# Altium PCB spd150.PcbDoc (part 5 of 16)
Units mm, origin at the board's own origin, x right, y up, seen from the top; angles counter-clockwise.
Board outline 217.35 x 147.5 mm, 10 copper layers (TOP, LYR2-PLN, LYR3-SIG, LYR4-SIG, LYR5-PLN, LYR6-PLN, LYR7-SIG, LYR8-SIG, LYR9-PLN, BOTTOM), stack 2.134 mm thick; 1065 components, 972 nets, 4226 pads, 2810 vias.
Unrouted connection lines stored in the file: 16.
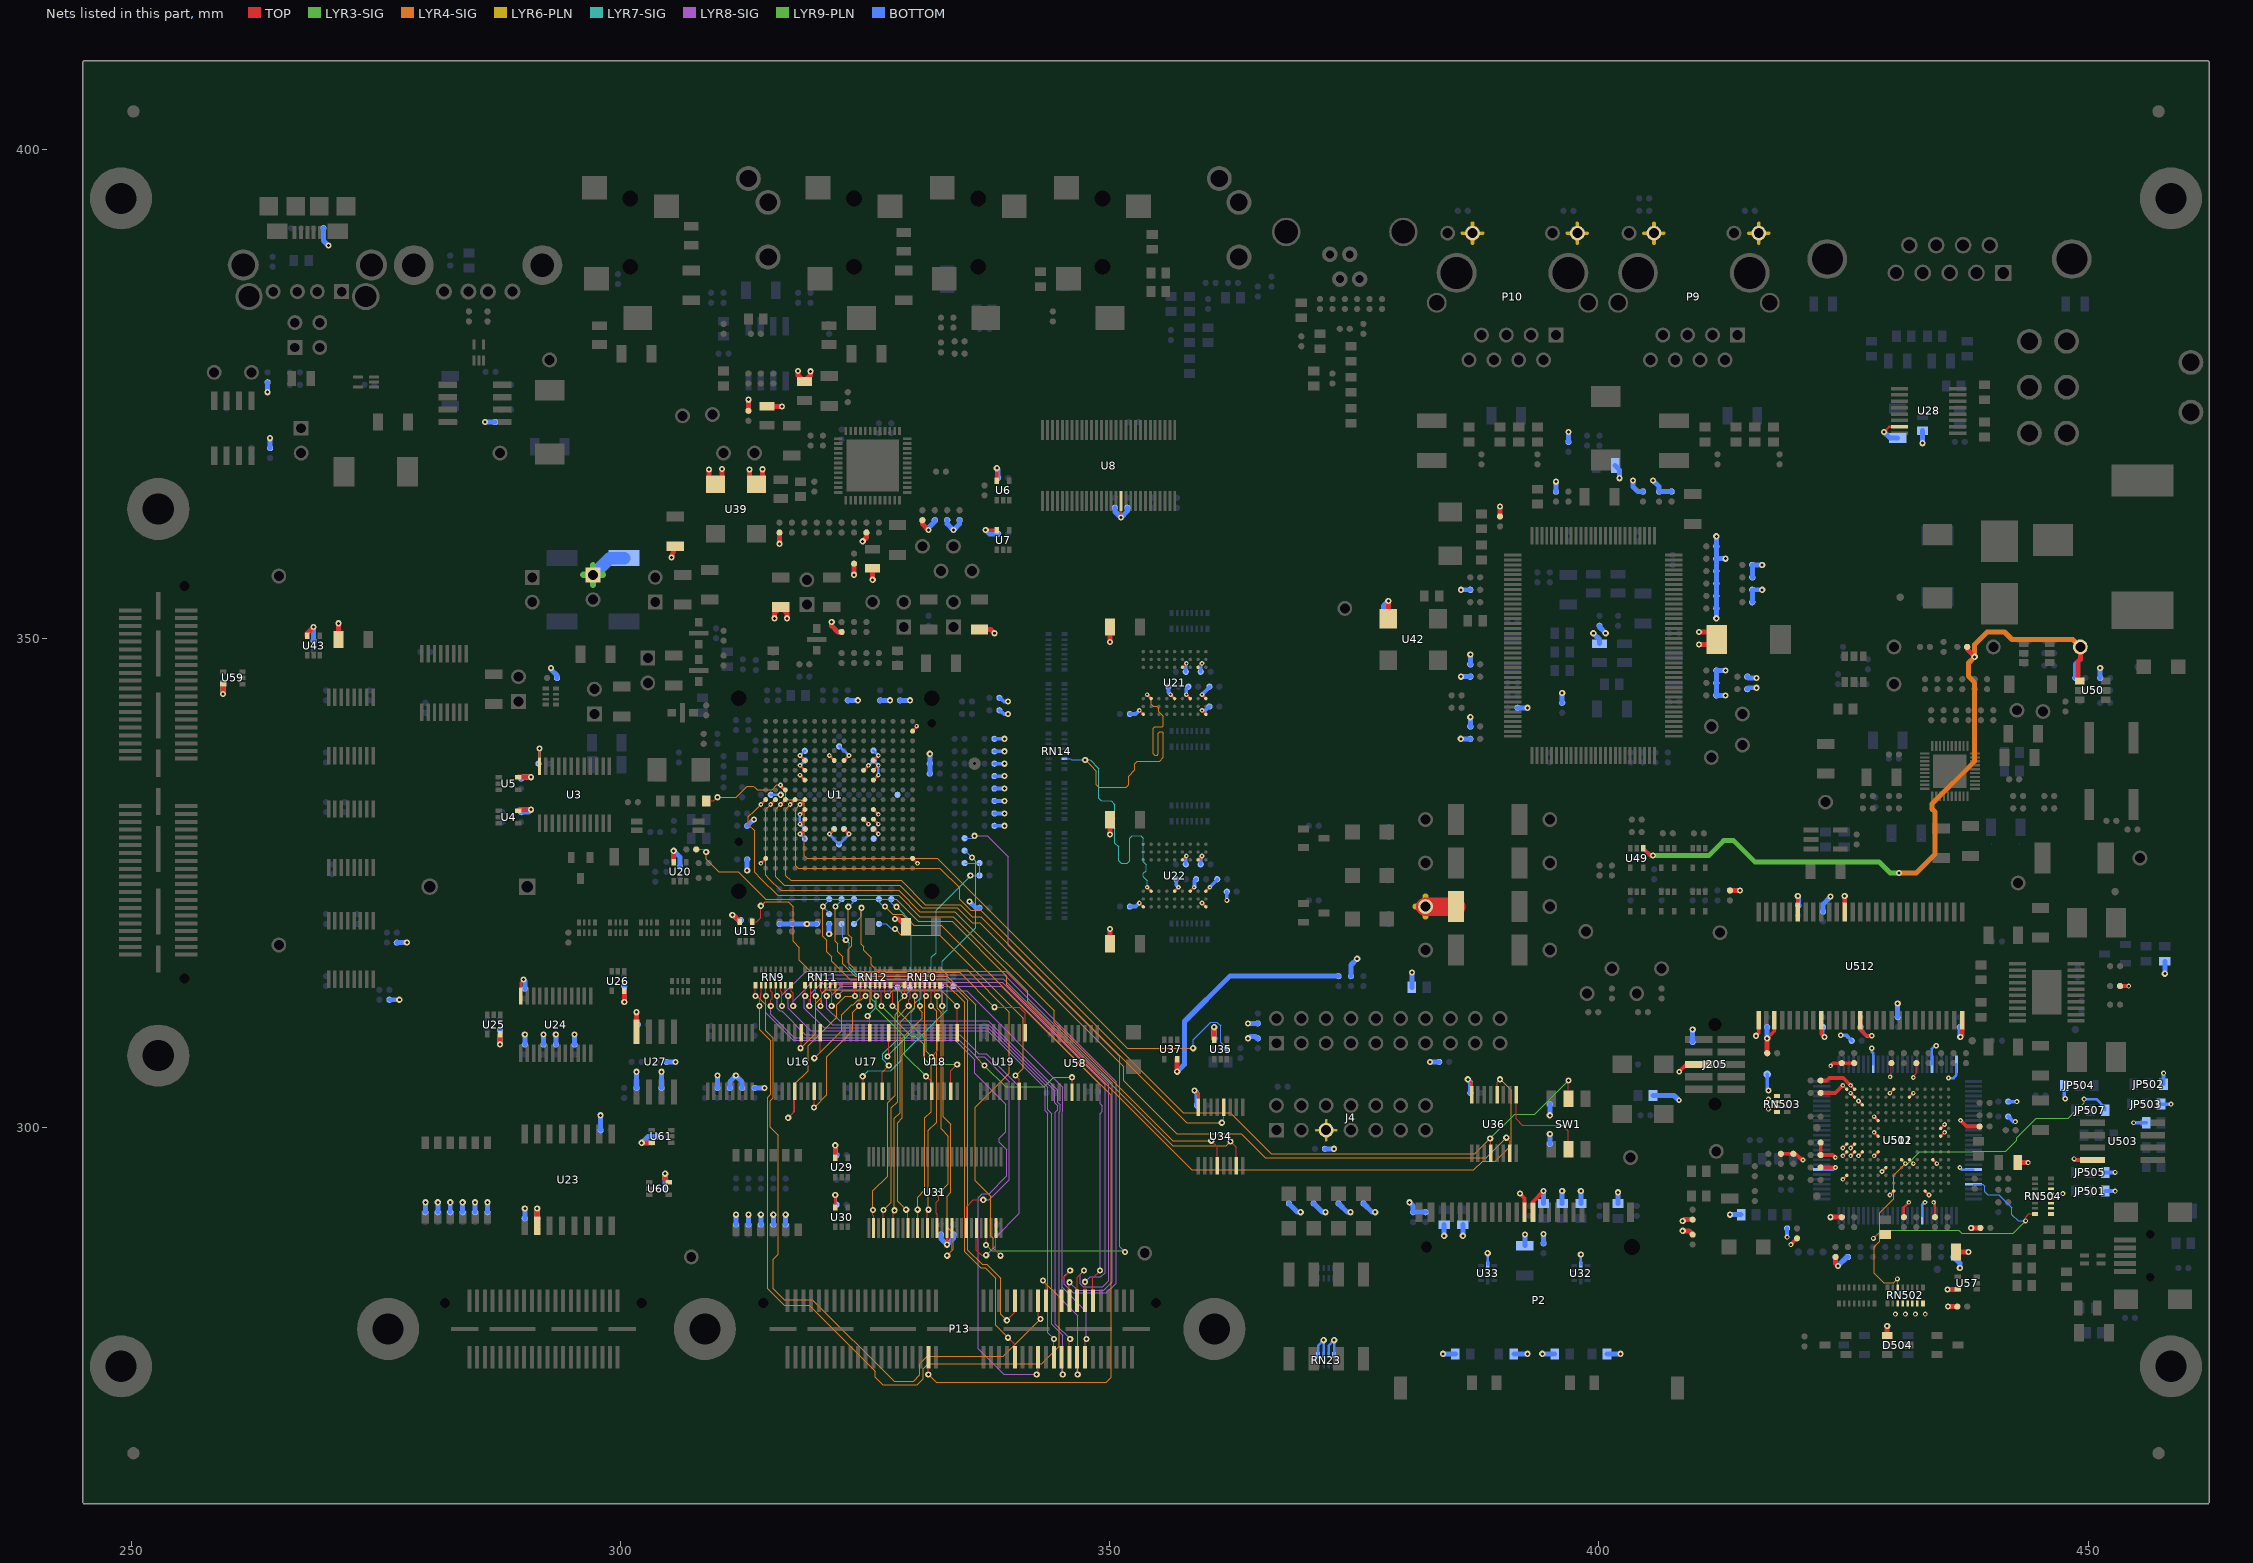
[diagram p13: the nets of this part, all layers, seen from the top]

## Via types
v1: diameter 0.635, hole 0.305, TOP to BOTTOM, 2018 vias
v2: diameter 0.483, hole 0.203, TOP to BOTTOM, 651 vias
v3: diameter 0.508, hole 0.254, TOP to BOTTOM, 120 vias
v4: diameter 0.559, hole 0.254, TOP to BOTTOM, 21 vias

## Nets (pads, with @x,y where several pads share a name; then routed paths per layer and width w, separated by ;. In a path a pad name is that pad's centre, name@x,y a point inside that pad or via, vN(x,y) a via of type N, cw(c..) or ccw(c..) an arc to the next point about the centre after c; other vN are vias at no path point) (continued)
DSK_3V3: C2.1 C3.1 C4.1 C5.1 C6.1 C7.1 C8.1 C25.1 C39.1 C51.1 C104.1 C105.1 C106.1 C107.1 C108.1 C109.1 C110.1 C111.1 C112.1 C113.1 C114.1 C115.1 C116.1 C117.1 C118.1 C119.1 C120.1 C121.1 C122.1 C123.1 C124.1 C125.1 C126.2 C127.1 C128.1 C137.1 C138.1 C139.1 C140.1 C141.1 C142.2 C143.1 C145.1 C146.1 C147.1 C148.1 C151.1 C165.1 C175.1 C198.1 C203.1 C207.1 C233.1 C266.1 C273.1 C274.1 C537.1 C538.1 C539.1 C540.1 C541.1 C550.1 C551.1 C552.1 C553.1 C554.1 C595.1 C596.1 C597.1 C598.1 C599.1 C600.1 C601.1 C602.1 C603.1 C604.1 C605.1 CT502.1 D504.1 J4.5 J205.6 JP501.1 JP502.1 JP503.1 JP504.1 JP505.1 JP510.1 L6.1 L7.2 L9.2 L19.1 L21.1 L504.1 L592.2 P2.4 P2.19 P9.9 P9.11 P10.9 P10.11 R2.1 R13.1 R24.1 R25.1 R26.1 R35.1 R37.1 R40.1 R41.1 R42.1 R43.1 R53.1 R54.1 R59.1 R61.1 R65.1 R101.1 R110.1 R111.1 R121.1 R122.1 R123.1 R125.1 R126.2 R131.1 R132.1 R133.2 R134.2 R135.2 R136.2 R138.1 R139.1 R140.1 R144.1 R145.1 R146.1 R147.1 R148.1 R149.1 R154.1 R155.1 R156.1 R157.1 R158.1 R159.1 R160.1 R161.1 R162.1 R163.1 R167.2 R168.2 R172.1 R173.1 R174.2 R175.2 R176.2 R177.2 R179.2 R198.1 R199.1 R200.1 R201.1 R203.1 R236.1 R244.1 R245.1 R246.1 R247.1 R248.1 R249.1 R257.1 R258.1 R259.1 R260.1 R261.1 R262.1 R263.1 R264.1 R265.1 R267.1 R268.1 R269.1 R270.1 R271.1 R272.1 R273.1 R292.2 R294.1 R295.1 R296.1 R297.1 R312.2 R355.1 R376.1 R377.1 R378.1 R379.1 R385.1 R386.1 R514.1 R545.2 R550.1 R554.1 R557.1 R597.2 R598.2 R600.2 R601.2 R602.2 R613.2 R614.1 R615.1 R616.1 R621.1 R622.1 R623.1 R624.1 R625.1 R626.1 R627.1 R628.1 R629.1 R630.1 RN23.1 RN23.2 RN23.3 RN23.4 RN502.3 RN502.4 RN502.5 RN502.6 RN502.7 RN502.8 RN503.1 RN503.2 RN503.3 RN503.4 RN504.1 RN504.2 RN504.3 RN504.4 RN504.5 RN504.6 TP18.1 TP513.1 U3.24 U4.5 U5.5 U6.5 U7.5 U8.17 U15.5 U20.5 U21.A7 U21.A9 U21.B3 U21.C7 U21.D3 U21.E7 U21.J9 U22.A7 U22.A9 U22.B3 U22.C7 U22.D3 U22.E7 U22.J9 U23.2 U24.24 U25.5 U26.5 U27.8 U28.15 U29.5 U30.5 U31.17 U32.10 U33.10 U34.16 U35.5 U36.16 U37.5 U39.1 U39.4 U42.4 U43.5 U57.5 U59.5 U60.5 U61.5 U502.A4 U502.A8 U502.C14 U502.D9 U502.E3 U502.E6 U502.F10 U502.F12 U502.F13 U502.F14 U502.G13 U502.G14 U502.H2 U502.H10 U502.J2 U502.K10 U502.M12 U502.N6 U502.N13 U502.P8 U502.P13 U502.P14 U503.8 U511.8 U511.20 U511.25 U511.44 U511.58 U511.82 U512.1 U512.3 U512.9 U512.14 U512.27 U512.43 U512.49 | length 429
  TOP w0.127: v2(429.768,305.181) 429.895,305.308 C554.1@429.895,306.578 ; v2(432.13,305.105) 432.13,305.257 432.435,305.562 C599.1@432.435,306.578
  TOP w0.254: U24.24@289.794,313.436 289.794,314.813 290.068,315.087 v1(290.068,315.138) ; U3.24@291.699,336.931 v1(291.699,338.729) ; U30.5@321.93,291.821 v1(321.93,293.101) ; v1(333.355,288.016) U31.17@333.355,289.738 ; v1(351.135,362.351) U8.17@351.135,364.033 ; v2(353.017,322.956) U22.J9@353.418,322.555 ; v2(353.017,342.641) U21.J9@353.418,342.24 ; v2(356.217,344.241) U21.E7@356.619,343.84 ; U22.E7@356.619,324.155 v2(357.017,324.556) ; U22.D3@357.419,327.355 v2(357.817,327.757) ; U21.D3@357.419,347.04 v2(357.817,347.442) ; v2(357.817,344.241) U21.C7@358.219,343.84 ; U22.C7@358.219,324.155 v2(358.618,324.556) ; U22.B3@359.019,327.355 v2(359.418,327.757) ; U21.B3@359.019,347.04 v2(359.418,347.442) ; v2(359.418,322.956) U22.A9@359.819,322.555 ; v2(359.418,342.641) U21.A9@359.819,342.24 ; v2(359.418,344.241) U21.A7@359.819,343.84 ; U22.A7@359.819,324.155 v2(360.218,324.556) ; v1(386.588,304.927) 386.979,304.536 U36.16@386.979,303.342 ; v2(424.927,294.701) U502.C14@425.328,295.102 ; v2(424.927,297.101) U502.F14@425.328,297.503 ; v2(424.927,297.901) U502.G14@425.328,298.303 ; v2(424.927,304.305) 425.326,303.906 U502.P14@425.328,303.906 ; v2(425.727,297.101) U502.F13@426.128,297.503 ; v2(425.727,297.901) U502.G13@426.128,298.303 ; v2(425.727,303.505) U502.N13@426.128,303.106 ; v2(425.727,304.305) U502.P13@426.128,303.906 ; v2(426.527,297.101) U502.F12@426.928,297.503 ; v2(426.527,302.704) U502.M12@426.928,302.306 ; v2(428.127,297.101) U502.F10@428.528,297.503 ; v2(428.127,299.504) U502.H10@428.528,299.105 ; v2(428.127,301.104) U502.K10@428.528,300.706 ; v2(428.927,295.501) U502.D9@429.329,295.902 ; v1(429.133,371.094) 429.666,371.627 U28.15@430.718,371.627 ; v2(429.727,293.101) U502.A8@430.129,293.502 ; v2(429.727,303.505) U502.P8@430.129,303.906 ; C597.1@431.165,290.83 431.165,291.846 v2(431.673,292.354) ; U502.E6@431.731,296.702 v2(432.13,296.301) ; U502.N6@431.731,303.106 v2(432.13,303.505) ; U502.A4@433.332,293.502 v2(433.73,293.101) ; U502.E3@434.132,296.702 v2(434.53,296.301) ; v2(434.213,292.354) 434.34,292.227 C596.1@434.34,290.83 ; U502.H2@434.932,299.105 v2(435.331,299.504) ; U502.J2@434.932,299.905 v2(435.331,300.304)
  TOP w0.305: v1(358.648,303.784) 359.039,303.393 U34.16@359.039,302.072
  TOP w0.381: v1(337.312,361.061) 337.337,361.036 U7.5@338.44,361.036 ; U6.5@338.44,366.116 v1(338.44,367.396) ; v1(391.922,293.243) 392.392,292.773 P2.19@392.392,291.338 ; P2.4@393.243,291.338 393.243,292.405 v1(394.335,293.497) ; v4(408.191,305.689) 408.191,305.702 408.94,306.451 J205.6@410.21,306.451 ; v1(416.052,309.372) 416.319,309.639 U512.1@416.319,310.947 ; v1(417.195,309.118) 417.919,309.842 U512.3@417.919,310.947 ; R545.2@418.592,297.307 R175.2@419.862,297.307 420.116,297.307 420.751,296.672 v2(420.853,296.672) ; v3(419.608,288.036) R598.2@420.243,288.671 ; U512.49@420.319,322.021 v1(420.319,323.672) ; C551.1@422.656,295.91 v2(424.18,295.91) ; C537.1@422.656,298.45 C550.1@422.656,297.18 423.901,297.18 v2(424.155,296.926) ; C539.1@422.656,303.53 424.152,303.53 v2(424.927,304.305) ; C538.1@422.656,304.8 423.291,304.8 423.545,305.054 424.978,305.054 v2(425.727,304.305) ; U512.9@422.719,310.947 422.719,309.562 v1(423.037,309.245) ; v2(423.68,306.301) 423.956,306.578 C540.1@424.815,306.578 C553.1@426.085,306.578 ; U512.14@426.72,310.947 426.72,310.007 427.355,309.372 v4(427.863,309.372) ; v2(436.956,300.736) 437.591,300.101 C598.1@438.912,300.101 ; v3(448.564,296.799) 448.691,296.672 U503.8@450.431,296.672 ; R557.1@453.263,314.452 v3(454.152,314.452)
  TOP w0.508: v1(259.334,344.297) U59.5@259.359,345.298 ; U43.5@267.955,350.241 267.955,350.505 v1(268.605,351.155) ; C104.1@271.145,349.885 v1(271.145,351.536) ; v1(287.67,308.498) U25.5@287.67,309.524 ; U4.5@289.535,332.374 289.646,332.486 v1(290.83,332.486) ; U5.5@289.535,335.803 v1(290.83,335.803) ; U23.2@291.465,289.941 v1(291.465,291.719) ; v1(300.37,312.816) U26.5@300.37,313.969 ; U27.8@301.625,309.791 v1(301.625,311.785) ; v1(302.148,298.435) U61.5@303.174,298.435 ; v1(304.546,295.275) 304.546,294.655 304.8,294.401 U60.5@304.902,294.401 ; U20.5@305.42,327.127 v1(305.42,328.28) ; v1(309.029,367.271) 309.029,366.42 U39.1@309.69,365.76 309.753,365.76 310.363,366.37 v1(310.363,367.309) ; v1(311.404,321.716) 311.429,321.691 311.531,321.691 312.151,321.071 U15.5@312.151,321.031 ; C165.1@313.055,373.253 v1(313.055,374.396) ; v1(313.169,367.271) 313.169,366.471 U39.4@313.88,365.76 314.503,366.382 v1(314.503,367.284) ; L9.2@314.96,373.71 v1(316.484,373.71) ; v1(316.23,359.664) C175.1@316.23,360.807 ; v1(318.135,377.317) 318.135,376.885 L7.2@318.77,376.25 319.405,376.885 v1(319.405,377.292) ; v1(321.564,351.663) 321.564,351.282 322.199,350.647 R13.1@322.58,350.647 ; U29.5@321.93,296.901 v1(321.93,298.181) ; v1(323.85,356.489) C151.1@323.85,357.632 ; v1(324.739,359.918) 325.12,360.299 R203.1@325.12,360.807 ; v1(325.755,355.981) L6.1@325.755,357.175 ; R201.1@330.835,362.077 330.835,361.696 v1(331.47,361.061) ; C115.1@350.015,318.77 v1(350.015,320.294) ; v1(350.015,329.946) C105.1@350.015,331.47 ; v1(350.015,349.631) C114.1@350.015,351.155 ; v1(356.885,305.704) U37.5@356.885,306.984 ; U35.5@360.665,308.966 v1(360.665,310.246) ; U42.4@378.46,351.993 v1(378.46,353.822) ; R273.1@389.89,362.458 v1(389.89,363.474) ; v1(408.559,289.433) 409.194,289.433 R149.1@409.575,289.052 ; v1(408.559,290.449) 408.686,290.576 R148.1@409.575,290.576 ; v1(410.21,349.377) 411.531,349.377 C203.1@412.039,349.885 411.277,350.647 v1(410.21,350.647) ; R101.1@413.385,324.231 v1(414.401,324.231) ; C595.1@417.195,307.594 v1(417.195,309.118) ; v1(423.672,290.83) C541.1@424.815,290.83 ; R600.2@424.18,286.766 424.18,286.106 v1(424.434,285.852) ; U512.43@425.12,322.021 v1(425.12,323.647) ; D504.1@429.463,278.714 v1(429.463,279.705) ; v1(435.625,283.449) U57.5@436.651,283.449 ; v1(435.686,281.686) C25.1@436.626,281.686 ; CT502.1@436.499,287.274 v1(437.769,287.274) ; v1(436.931,309.245) 437.121,309.435 U512.27@437.121,310.947 ; v1(438.048,289.738) C552.1@438.988,289.738 ; L504.1@442.798,296.418 v3(443.865,296.418)
  TOP w1.905: TP18.1@382.27,322.58 R312.2@385.381,322.58
  LYR6-PLN w0.254: 371.094,299.72 J4.5@372.11,299.72 ; 372.11,298.704 J4.5@372.11,299.72 ; 372.11,300.736 J4.5@372.11,299.72 ; 373.126,299.72 J4.5@372.11,299.72
  LYR6-PLN w0.381: 386.055,391.414 P10.11@387.071,391.414 ; 387.071,390.398 P10.11@387.071,391.414 ; 387.071,392.43 P10.11@387.071,391.414 ; 388.087,391.414 P10.11@387.071,391.414 ; 396.773,391.414 P10.9@397.789,391.414 ; 397.789,390.398 P10.9@397.789,391.414 ; 397.789,392.43 P10.9@397.789,391.414 ; 398.805,391.414 P10.9@397.789,391.414 ; 404.597,391.414 P9.11@405.613,391.414 ; 405.613,390.398 P9.11@405.613,391.414 ; 405.613,392.43 P9.11@405.613,391.414 ; 406.629,391.414 P9.11@405.613,391.414 ; 415.315,391.414 P9.9@416.331,391.414 ; 416.331,390.398 P9.9@416.331,391.414 ; 416.331,392.43 P9.9@416.331,391.414 ; 417.347,391.414 P9.9@416.331,391.414
  LYR6-PLN w0.635: 381.254,322.58 TP18.1@382.27,322.58 ; 382.27,321.564 TP18.1@382.27,322.58 ; 382.27,323.596 TP18.1@382.27,322.58 ; 383.286,322.58 TP18.1@382.27,322.58
  BOTTOM w0.254: C2.1@291.592,337.185 291.699,337.292 v1(291.699,338.729) ; v1(321.93,293.101) 321.93,292.242 C138.1@322.072,292.1 ; RN23.1@371.287,276.746 371.287,277.688 v1(371.856,278.257) 371.861,278.252 RN23.2@371.861,276.746 ; RN23.3@372.359,276.746 372.359,277.683 v1(372.933,278.257) RN23.4@372.933,276.746 ; U33.10@388.62,285.979 v1(388.62,287.147) ; U32.10@398.145,285.979 v1(398.145,287.02) ; U511.82@422.783,295.702 423.972,295.702 v2(424.18,295.91) ; C602.1@422.91,310.261 422.91,309.372 v1(423.037,309.245) ; v4(427.863,308.102) 427.863,307.759 428.028,307.594 U511.8@428.028,306.451 ; U511.58@433.032,290.957 433.032,292.062 v2(433.324,292.354) ; U511.20@434.033,306.451 434.033,308.049 434.34,308.356 v4(434.467,308.356) ; v2(435.737,305.054) 436.245,305.054 436.535,305.344 U511.25@436.535,306.451 ; v2(436.88,295.91) 437.088,295.702 U511.44@438.277,295.702
  BOTTOM w0.381: R624.1@338.201,330.835 v1(339.217,330.835) ; R630.1@338.201,332.105 v1(339.217,332.105) ; R626.1@338.201,333.375 v1(339.217,333.375) ; R623.1@338.201,334.645 v1(339.217,334.645) ; R621.1@338.201,335.915 v1(339.217,335.915) ; R622.1@338.201,337.185 v1(339.217,337.185) ; R627.1@338.201,338.455 v1(339.217,338.455) ; R628.1@338.201,339.725 v1(339.217,339.725) ; R629.1@338.709,342.646 339.217,342.265 v1(339.598,342.265) ; R625.1@338.709,343.916 339.217,343.535 v1(339.598,343.535) ; C109.1@352.047,322.58 352.641,322.58 v2(353.017,322.956) ; C120.1@352.047,342.265 352.641,342.265 v2(353.017,342.641) ; C116.1@355.984,345.059 355.984,344.475 v2(356.217,344.241) ; C119.1@356.784,325.374 356.784,324.79 v2(357.017,324.556) ; C113.1@357.762,326.898 357.762,327.701 v2(357.817,327.757) ; C118.1@357.762,346.583 357.762,347.386 v2(357.817,347.442) ; v2(357.817,344.241) 357.817,344.861 C110.1@358.016,345.059 ; v2(358.618,324.556) 358.648,324.587 358.648,325.206 C108.1@358.816,325.374 ; C106.1@359.286,326.898 359.286,327.624 v2(359.418,327.757) ; C111.1@359.286,346.583 359.286,347.309 v2(359.418,347.442) ; v2(359.418,342.641) 359.788,342.641 C117.1@360.175,343.027 ; v2(359.418,344.241) 360.175,344.998 C121.1@360.175,345.059 ; v2(360.218,324.556) 360.975,325.313 C107.1@360.975,325.374 ; v3(361.953,323.215) C112.1@361.953,324.104 ; TP513.1@417.195,305.435 417.195,303.911 v1(417.322,303.784) ; v3(419.227,288.798) R597.2@419.227,289.687 ; v4(424.731,309.441) 425.254,309.441 R614.1@425.831,308.864 ; C600.1@426.72,310.261 426.72,310.007 427.355,309.372 v4(427.863,309.372) ; R616.1@441.833,301.117 442.341,300.609 v3(442.57,300.609) ; R615.1@441.833,302.641 v3(442.722,302.641) ; JP504.1@447.548,304.292 447.548,303.047 v4(447.675,302.92) ; JP501.1@451.739,293.497 v3(452.755,293.497) ; JP505.1@451.739,295.402 v3(452.755,295.402) ; R550.1@453.263,314.452 v3(454.152,314.452) ; v3(454.66,300.482) JP510.1@455.93,300.482 ; JP503.1@457.454,302.387 v3(458.47,302.387) ; JP502.1@457.708,304.419 v3(457.708,305.562)
  BOTTOM w0.508: v1(259.334,344.297) C266.1@259.334,345.44 ; v1(263.906,375.158) R53.1@263.906,376.174 ; R54.1@264.16,369.443 v1(264.16,370.459) ; C233.1@268.605,349.758 v1(268.605,351.155) ; R59.1@269.621,391.922 269.621,390.652 v1(270.129,390.144) ; R37.1@276.352,313.055 v1(277.368,313.055) ; R35.1@277.114,318.897 v1(278.13,318.897) ; R376.1@280.035,291.338 v1(280.035,292.354) ; R377.1@281.305,291.338 v1(281.305,292.354) ; R378.1@282.575,291.338 v1(282.575,292.354) ; R379.1@283.845,291.338 v1(283.845,292.354) ; R385.1@285.115,291.338 v1(285.115,292.354) ; v1(286.131,372.11) R61.1@287.147,372.11 ; R386.1@286.385,291.338 v1(286.385,292.354) ; C124.1@287.655,310.007 287.67,309.992 v1(287.67,308.498) ; C3.1@289.814,332.232 290.576,332.232 v1(290.83,332.486) ; C4.1@289.814,335.661 289.956,335.803 v1(290.83,335.803) ; v1(290.068,315.138) 290.068,315.087 290.195,314.96 C123.1@290.195,314.198 ; R131.1@290.195,290.703 v1(290.195,291.719) ; R133.2@290.195,308.483 v1(290.195,309.499) ; C122.1@291.465,290.703 v1(291.465,291.719) ; R134.2@292.1,308.483 v1(292.1,309.499) ; v1(292.862,346.964) 292.862,346.837 293.497,346.202 R2.1@293.497,345.948 ; R135.2@293.37,308.483 v1(293.37,309.499) ; R136.2@295.275,308.483 v1(295.275,309.499) ; R132.1@297.942,299.72 v1(297.942,301.244) ; C125.1@300.355,314.452 300.37,314.437 v1(300.37,312.816) ; R138.1@301.625,304.038 v1(301.625,305.689) ; v1(301.625,311.785) 301.625,310.642 C126.2@301.752,310.515 ; v1(302.148,298.435) 302.798,299.085 C274.1@303.657,299.085 ; R140.1@304.165,304.038 v1(304.165,305.689) ; C273.1@304.546,293.751 v1(304.546,295.275) ; R139.1@304.673,306.705 v1(305.613,306.705) ; v1(305.42,328.28) 306.07,327.63 C51.1@306.07,326.644 ; R42.1@309.88,304.038 v1(309.88,305.308) ; R43.1@311.15,304.038 311.15,304.673 311.765,305.288 v1(311.765,305.308) 312.42,304.653 R40.1@312.42,304.038 ; v1(311.404,321.716) 311.48,321.716 312.014,321.183 C39.1@312.293,321.183 ; R121.1@311.785,290.068 v1(311.785,291.084) ; R122.1@313.055,290.068 v1(313.055,291.084) ; R41.1@313.69,304.038 v1(314.706,304.038) ; R123.1@314.325,290.068 v1(314.325,291.084) ; R125.1@315.595,290.068 v1(315.595,291.084) ; R25.1@316.23,320.802 R26.1@317.5,320.802 v1(319.024,320.802) R24.1@320.04,320.802 ; R126.2@316.865,290.068 v1(316.865,291.084) ; v1(321.31,319.786) R65.1@321.31,320.802 ; v1(321.93,298.181) 321.93,297.322 C137.1@322.072,297.18 ; v1(331.47,361.061) 331.47,361.315 332.105,361.95 R200.1@332.105,362.077 ; C139.1@332.74,289.052 332.74,288.63 v1(333.355,288.016) 334.01,288.671 C140.1@334.01,289.052 ; R199.1@333.375,362.077 333.375,361.696 v1(334.01,361.061) 334.645,361.696 R198.1@334.645,362.077 ; v1(337.312,361.061) 337.693,360.68 C5.1@338.582,360.68 ; v1(338.44,367.396) 338.582,367.254 C6.1@338.582,366.395 ; C7.1@350.52,363.347 350.52,362.966 v1(351.135,362.351) 351.79,363.007 C8.1@351.79,363.347 ; v1(356.885,305.704) 357.632,306.451 357.632,310.835 362.265,315.468 C148.1@373.38,315.468 ; v1(358.648,303.784) 358.902,303.53 C143.1@358.902,302.26 ; v1(360.665,310.246) 360.665,309.133 C145.1@360.68,309.118 ; v1(364.109,309.118) 364.198,309.118 364.355,309.275 364.881,309.275 365.039,309.118 R177.2@365.125,309.118 ; v1(364.109,310.642) R176.2@365.125,310.642 ; R144.1@368.3,292.227 369.189,291.338 v1(369.506,291.338) ; R145.1@370.84,292.227 371.729,291.338 v1(372.046,291.338) ; C146.1@371.983,297.815 v1(372.923,297.815) ; R146.1@373.38,292.227 374.269,291.338 v1(374.587,291.338) ; R174.2@374.65,315.468 374.65,316.611 v1(375.285,317.246) ; R147.1@375.92,292.227 376.809,291.338 v1(377.126,291.338) ; C198.1@377.952,352.425 377.952,353.314 v1(378.46,353.822) ; v1(380.619,292.354) 381,291.973 R168.2@381,291.338 R167.2@382.27,291.338 ; R173.1@380.873,314.325 v1(380.873,315.849) ; v1(382.727,306.705) R179.2@383.667,306.705 ; v1(384.048,276.86) R163.1@385.318,276.86 ; v1(384.175,288.925) R158.1@384.175,290.068 ; v1(385.877,339.725) R268.1@386.842,339.725 ; v1(385.902,346.075) R270.1@386.842,346.075 ; v1(385.902,354.965) R248.1@386.842,354.965 ; v1(386.08,288.925) R159.1@386.08,290.068 ; v1(386.588,304.927) 386.842,304.673 C147.1@386.842,303.53 ; R267.1@386.842,340.995 v1(386.842,341.935) ; R269.1@386.842,347.345 v1(386.842,348.361) ; R162.1@391.287,276.86 v1(392.684,276.86) ; R236.1@391.668,342.9 v1(392.697,342.9) ; C141.1@392.43,287.909 v1(392.43,289.052) ; v1(394.208,276.86) R161.1@395.478,276.86 ; C142.2@394.335,288.163 v1(394.335,289.103) ; R156.1@394.335,292.227 v1(394.335,293.497) ; R110.1@394.97,298.323 v1(394.97,299.339) ; v1(394.97,301.244) R111.1@394.97,302.387 ; R294.1@395.605,364.998 v1(395.605,366.014) ; R157.1@396.24,292.227 v1(396.24,293.497) ; R292.2@396.24,343.408 v1(396.24,344.424) ; R295.1@396.875,370.078 v1(396.875,371.094) ; R155.1@398.145,292.227 v1(398.145,293.497) ; v1(399.415,350.52) 400.05,349.885 L19.1@400.05,349.453 ; C207.1@400.05,351.282 400.05,351.155 v1(400.685,350.52) ; R160.1@400.812,276.86 v1(402.209,276.86) ; L21.1@401.65,367.665 402.082,367.233 v1(402.082,366.37) ; R154.1@401.955,292.227 v1(401.955,293.37) ; v1(403.479,366.141) 403.479,365.506 403.987,364.998 R257.1@404.495,364.998 ; L592.2@405.511,303.276 407.67,303.276 v4(408.178,302.768) ; v1(405.511,366.141) 406.146,365.506 R297.1@406.146,364.998 R296.1@407.416,364.998 ; R514.1@409.575,308.737 v1(409.575,310.007) ; v1(411.988,352.044) R249.1@411.988,353.06 R262.1@411.988,354.33 R244.1@411.988,355.6 R260.1@411.988,356.87 R258.1@411.988,358.14 ; v1(411.988,360.426) R272.1@411.988,359.41 R258.1@411.988,358.14 ; v1(412.928,344.17) R247.1@411.988,344.17 R264.1@411.988,345.44 R246.1@411.988,346.71 v1(412.928,346.71) ; v1(412.928,358.14) R258.1@411.988,358.14 ; v1(413.385,291.084) R172.1@414.528,291.084 ; R265.1@415.163,344.805 415.305,344.947 v1(416.093,344.947) ; R263.1@415.163,346.075 415.29,345.948 416.044,345.948 416.052,345.94 v1(416.095,345.94) ; R271.1@415.671,353.695 R245.1@415.671,354.965 v1(416.687,354.965) ; R261.1@415.671,356.235 R259.1@415.671,357.505 v1(416.687,357.505) ; v1(417.195,309.118) C603.1@417.195,310.261 ; v1(420.319,323.672) 420.37,323.621 C605.1@420.37,322.707 ; C604.1@422.91,322.072 422.91,322.834 v1(423.672,323.596) ; v1(424.434,285.852) 425.348,286.766 R601.2@425.45,286.766 ; v1(429.133,371.094) 429.768,370.459 C128.1@430.53,370.459 ; R613.2@430.53,311.277 v1(430.53,312.674) ; v1(433.07,369.951) C127.1@433.07,371.221 ; R602.2@436.245,286.766 436.88,286.131 v1(436.88,285.623) ; C601.1@436.88,310.261 436.88,309.296 v1(436.931,309.245) ; R355.1@451.231,345.948 v1(451.231,346.964) ; v1(457.835,315.722) R554.1@457.835,316.992

## Text inside footprints (layer, text, board x,y; h text height)
R207: PIN_NUMBER "1" at 330.632,363.093 h0.51 r90; PIN_NUMBER "2" at 330.632,362.077 h0.51 r90; ASSEMBLY_BOTTOM "2K" at 330.835,362.585 h0.64 r90; ASSEMBLY_BOTTOM "TOLERANCE" at 333.375,362.585 h0.64 r90; ASSEMBLY_BOTTOM "USERPART#" at 334.645,362.585 h0.64 r90; SYMBOL_PART_DIM "PAD 35X32 OV" at 335.61,365.709 h0.64 r90; SYMBOL_PART_DIM "C402-35X32" at 334.34,365.709 h0.64 r90; SYMBOL_PART_DIM "0" at 332.969,362.788 h0.64 r90; SYMBOL_PART_DIM "0" at 331.165,364.922 h0.64 r90
R208: PIN_NUMBER "1" at 324.917,361.823 h0.51 r90; PIN_NUMBER "2" at 324.917,360.807 h0.51 r90; ASSEMBLY_BOTTOM "2K" at 325.12,361.315 h0.64 r90; ASSEMBLY_BOTTOM "TOLERANCE" at 327.66,361.315 h0.64 r90; ASSEMBLY_BOTTOM "USERPART#" at 328.93,361.315 h0.64 r90; SYMBOL_PART_DIM "PAD 35X32 OV" at 329.895,364.439 h0.64 r90; SYMBOL_PART_DIM "C402-35X32" at 328.625,364.439 h0.64 r90; SYMBOL_PART_DIM "0" at 327.254,361.518 h0.64 r90; SYMBOL_PART_DIM "0" at 325.45,363.652 h0.64 r90
R209: PIN_NUMBER "1" at 318.567,360.807 h0.51 r90; PIN_NUMBER "2" at 318.567,361.823 h0.51 r90; ASSEMBLY_TOP "22" at 318.77,361.315 h0.64 r90; ASSEMBLY_TOP "TOLERANCE" at 321.31,361.315 h0.64 r90; ASSEMBLY_TOP "USERPART#" at 322.58,361.315 h0.64 r90; SYMBOL_PART_DIM "PAD 35X32 OV" at 323.545,358.191 h0.64 r90; SYMBOL_PART_DIM "C402-35X32" at 322.275,358.191 h0.64 r90; SYMBOL_PART_DIM "0" at 320.904,361.112 h0.64 r90; SYMBOL_PART_DIM "0" at 319.1,358.978 h0.64 r90
R210: PIN_NUMBER "2" at 317.297,360.807 h0.51 r270; PIN_NUMBER "1" at 317.297,361.823 h0.51 r270; ASSEMBLY_TOP "22" at 317.5,361.315 h0.64 r270; ASSEMBLY_TOP "TOLERANCE" at 314.96,361.315 h0.64 r270; ASSEMBLY_TOP "USERPART#" at 313.69,361.315 h0.64 r270; SYMBOL_PART_DIM "PAD 35X32 OV" at 312.725,364.439 h0.64 r270; SYMBOL_PART_DIM "C402-35X32" at 313.995,364.439 h0.64 r270; SYMBOL_PART_DIM "0" at 315.366,361.518 h0.64 r270; SYMBOL_PART_DIM "0" at 317.17,363.652 h0.64 r270
R211: PIN_NUMBER "1" at 360.604,386.334 h0.51; PIN_NUMBER "2" at 359.588,386.334 h0.51; ASSEMBLY_BOTTOM "2.2K" at 360.299,386.334 h0.64; ASSEMBLY_BOTTOM "TOLERANCE" at 360.299,383.794 h0.64; ASSEMBLY_BOTTOM "USERPART#" at 360.299,382.524 h0.64; SYMBOL_PART_DIM "PAD 35X32 OV" at 363.423,381.559 h0.64; SYMBOL_PART_DIM "C402-35X32" at 363.423,382.829 h0.64; SYMBOL_PART_DIM "0" at 360.502,384.2 h0.64; SYMBOL_PART_DIM "0" at 362.636,386.004 h0.64
R212: PIN_NUMBER "1" at 314.173,382.651 h1.02 r180; PIN_NUMBER "2" at 312.649,382.651 h1.02 r180; ASSEMBLY_TOP "X" at 312.801,383.032 h1.02 r180; ASSEMBLY_TOP "X" at 313.69,383.032 h1.02 r180; ASSEMBLY_TOP "1" at 314.452,383.032 h1.02 r180; SYMB_DIM "0" at 317.5,383.159 h1.02 r180; SYMB_DIM "0" at 314.325,386.207 h1.02 r180; SYMB_DIM "R603-35X45" at 319.151,377.825 h1.02 r180; SYMB_DIM "SP  35X45OV" at 309.118,384.048 h1.02 r180; SYMB_DIM "SM  43X53OV" at 309.118,382.27 h1.02 r180; SYMB_DIM "PAD 35X45OV" at 309.118,380.746 h1.02 r180
R213: PIN_NUMBER "2" at 356.032,381.508 h0.51 r270; PIN_NUMBER "1" at 356.032,380.492 h0.51 r270; ASSEMBLY_BOTTOM "10K 1%" at 356.235,381 h0.64 r270; ASSEMBLY_BOTTOM "TOLERANCE" at 353.695,381 h0.64 r270; ASSEMBLY_BOTTOM "USERPART#" at 352.425,381 h0.64 r270; SYMBOL_PART_DIM "PAD 35X32 OV" at 351.46,377.876 h0.64 r270; SYMBOL_PART_DIM "C402-35X32" at 352.73,377.876 h0.64 r270; SYMBOL_PART_DIM "0" at 354.101,380.797 h0.64 r270; SYMBOL_PART_DIM "0" at 355.905,378.663 h0.64 r270
R214: PIN_NUMBER "1" at 359.842,383.667 h0.51 r270; PIN_NUMBER "2" at 359.842,384.683 h0.51 r270; ASSEMBLY_BOTTOM "10K 1%" at 360.045,384.175 h0.64 r270; ASSEMBLY_BOTTOM "TOLERANCE" at 357.505,384.175 h0.64 r270; ASSEMBLY_BOTTOM "USERPART#" at 356.235,384.175 h0.64 r270; SYMBOL_PART_DIM "PAD 35X32 OV" at 355.27,381.051 h0.64 r270; SYMBOL_PART_DIM "C402-35X32" at 356.54,381.051 h0.64 r270; SYMBOL_PART_DIM "0" at 357.911,383.972 h0.64 r270; SYMBOL_PART_DIM "0" at 359.715,381.838 h0.64 r270
R215: PIN_NUMBER "2" at 310.312,382.143 h0.51 r90; PIN_NUMBER "1" at 310.312,381.127 h0.51 r90; ASSEMBLY_TOP "20K" at 310.515,381.635 h0.64 r90; ASSEMBLY_TOP "TOLERANCE" at 313.055,381.635 h0.64 r90; ASSEMBLY_TOP "USERPART#" at 314.325,381.635 h0.64 r90; SYMBOL_PART_DIM "PAD 35X32 OV" at 315.29,378.511 h0.64 r90; SYMBOL_PART_DIM "C402-35X32" at 314.02,378.511 h0.64 r90; SYMBOL_PART_DIM "0" at 312.649,381.432 h0.64 r90; SYMBOL_PART_DIM "0" at 310.845,379.298 h0.64 r90
R216: PIN_NUMBER "1" at 364.922,384.937 h0.51 r270; PIN_NUMBER "2" at 364.922,385.953 h0.51 r270; ASSEMBLY_BOTTOM "NO-POP" at 365.125,385.445 h0.64 r270; ASSEMBLY_BOTTOM "TOLERANCE" at 362.585,385.445 h0.64 r270; ASSEMBLY_BOTTOM "USERPART#" at 361.315,385.445 h0.64 r270; SYMBOL_PART_DIM "PAD 35X32 OV" at 360.35,382.321 h0.64 r270; SYMBOL_PART_DIM "C402-35X32" at 361.62,382.321 h0.64 r270; SYMBOL_PART_DIM "0" at 362.991,385.242 h0.64 r270; SYMBOL_PART_DIM "0" at 364.795,383.108 h0.64 r270
R217: PIN_NUMBER "1" at 361.874,386.334 h0.51 r180; PIN_NUMBER "2" at 362.89,386.334 h0.51 r180; ASSEMBLY_BOTTOM "0" at 362.585,386.334 h0.64 r180; ASSEMBLY_BOTTOM "TOLERANCE" at 362.585,388.874 h0.64 r180; ASSEMBLY_BOTTOM "USERPART#" at 362.585,390.144 h0.64 r180; SYMBOL_PART_DIM "PAD 35X32 OV" at 359.461,391.109 h0.64 r180; SYMBOL_PART_DIM "C402-35X32" at 359.461,389.839 h0.64 r180; SYMBOL_PART_DIM "0" at 362.382,388.468 h0.64 r180; SYMBOL_PART_DIM "0" at 360.248,386.664 h0.64 r180
R218: PIN_NUMBER "1" at 309.804,379.095 h0.51 r180; PIN_NUMBER "2" at 310.82,379.095 h0.51 r180; ASSEMBLY_BOTTOM "10K" at 310.515,379.095 h0.64 r180; ASSEMBLY_BOTTOM "TOLERANCE" at 310.515,381.635 h0.64 r180; ASSEMBLY_BOTTOM "USERPART#" at 310.515,382.905 h0.64 r180; SYMBOL_PART_DIM "PAD 35X32 OV" at 307.391,383.87 h0.64 r180; SYMBOL_PART_DIM "C402-35X32" at 307.391,382.6 h0.64 r180; SYMBOL_PART_DIM "0" at 310.312,381.229 h0.64 r180; SYMBOL_PART_DIM "0" at 308.178,379.425 h0.64 r180
R219: PIN_NUMBER "1" at 312.852,376.047 h0.51 r90; PIN_NUMBER "2" at 312.852,377.063 h0.51 r90; ASSEMBLY_TOP "10K" at 313.055,376.555 h0.64 r90; ASSEMBLY_TOP "TOLERANCE" at 315.595,376.555 h0.64 r90; ASSEMBLY_TOP "USERPART#" at 316.865,376.555 h0.64 r90; SYMBOL_PART_DIM "PAD 35X32 OV" at 317.83,373.431 h0.64 r90; SYMBOL_PART_DIM "C402-35X32" at 316.56,373.431 h0.64 r90; SYMBOL_PART_DIM "0" at 315.189,376.352 h0.64 r90; SYMBOL_PART_DIM "0" at 313.385,374.218 h0.64 r90
R220: PIN_NUMBER "1" at 310.312,384.302 h0.51 r270; PIN_NUMBER "2" at 310.312,385.318 h0.51 r270; ASSEMBLY_BOTTOM "0" at 310.515,384.81 h0.64 r270; ASSEMBLY_BOTTOM "TOLERANCE" at 307.975,384.81 h0.64 r270; ASSEMBLY_BOTTOM "USERPART#" at 306.705,384.81 h0.64 r270; SYMBOL_PART_DIM "PAD 35X32 OV" at 305.74,381.686 h0.64 r270; SYMBOL_PART_DIM "C402-35X32" at 307.01,381.686 h0.64 r270; SYMBOL_PART_DIM "0" at 308.381,384.607 h0.64 r270; SYMBOL_PART_DIM "0" at 310.185,382.473 h0.64 r270
R221: PIN_NUMBER "1" at 317.932,384.302 h0.51 r270; PIN_NUMBER "2" at 317.932,385.318 h0.51 r270; ASSEMBLY_BOTTOM "0" at 318.135,384.81 h0.64 r270; ASSEMBLY_BOTTOM "TOLERANCE" at 315.595,384.81 h0.64 r270; ASSEMBLY_BOTTOM "USERPART#" at 314.325,384.81 h0.64 r270; SYMBOL_PART_DIM "PAD 35X32 OV" at 313.36,381.686 h0.64 r270; SYMBOL_PART_DIM "C402-35X32" at 314.63,381.686 h0.64 r270; SYMBOL_PART_DIM "0" at 316.001,384.607 h0.64 r270; SYMBOL_PART_DIM "0" at 317.805,382.473 h0.64 r270
R222: PIN_NUMBER "2" at 314.122,376.047 h0.51 r270; PIN_NUMBER "1" at 314.122,377.063 h0.51 r270; ASSEMBLY_TOP "0" at 314.325,376.555 h0.64 r270; ASSEMBLY_TOP "TOLERANCE" at 311.785,376.555 h0.64 r270; ASSEMBLY_TOP "USERPART#" at 310.515,376.555 h0.64 r270; SYMBOL_PART_DIM "PAD 35X32 OV" at 309.55,379.679 h0.64 r270; SYMBOL_PART_DIM "C402-35X32" at 310.82,379.679 h0.64 r270; SYMBOL_PART_DIM "0" at 312.191,376.758 h0.64 r270; SYMBOL_PART_DIM "0" at 313.995,378.892 h0.64 r270
R223: PIN_NUMBER "2" at 286.182,383.413 h0.51 r90; PIN_NUMBER "1" at 286.182,382.397 h0.51 r90; ASSEMBLY_TOP "24.9 1%" at 286.385,382.905 h0.64 r90; ASSEMBLY_TOP "TOLERANCE" at 288.925,382.905 h0.64 r90; ASSEMBLY_TOP "USERPART#" at 290.195,382.905 h0.64 r90; SYMBOL_PART_DIM "PAD 35X32 OV" at 291.16,379.781 h0.64 r90; SYMBOL_PART_DIM "C402-35X32" at 289.89,379.781 h0.64 r90; SYMBOL_PART_DIM "0" at 288.519,382.702 h0.64 r90; SYMBOL_PART_DIM "0" at 286.715,380.568 h0.64 r90
R224: PIN_NUMBER "1" at 259.512,374.523 h0.51 r90; PIN_NUMBER "2" at 259.512,373.507 h0.51 r90; ASSEMBLY_BOTTOM "10K" at 259.715,374.015 h0.64 r90; ASSEMBLY_BOTTOM "TOLERANCE" at 262.255,374.015 h0.64 r90; ASSEMBLY_BOTTOM "USERPART#" at 263.525,374.015 h0.64 r90; SYMBOL_PART_DIM "PAD 35X32 OV" at 264.49,377.139 h0.64 r90; SYMBOL_PART_DIM "C402-35X32" at 263.22,377.139 h0.64 r90; SYMBOL_PART_DIM "0" at 261.849,374.218 h0.64 r90; SYMBOL_PART_DIM "0" at 260.045,376.352 h0.64 r90
R225: PIN_NUMBER "1" at 371.272,383.667 h0.51 r90; PIN_NUMBER "2" at 371.272,384.683 h0.51 r90; ASSEMBLY_TOP "2.2K" at 371.475,384.175 h0.64 r90; ASSEMBLY_TOP "TOLERANCE" at 374.015,384.175 h0.64 r90; ASSEMBLY_TOP "USERPART#" at 375.285,384.175 h0.64 r90; SYMBOL_PART_DIM "PAD 35X32 OV" at 376.25,381.051 h0.64 r90; SYMBOL_PART_DIM "C402-35X32" at 374.98,381.051 h0.64 r90; SYMBOL_PART_DIM "0" at 373.609,383.972 h0.64 r90; SYMBOL_PART_DIM "0" at 371.805,381.838 h0.64 r90
R226: PIN_NUMBER "1" at 372.542,377.063 h0.51 r270; PIN_NUMBER "2" at 372.542,376.047 h0.51 r270; ASSEMBLY_TOP "10K 1%" at 372.745,376.555 h0.64 r270; ASSEMBLY_TOP "TOLERANCE" at 370.205,376.555 h0.64 r270; ASSEMBLY_TOP "USERPART#" at 368.935,376.555 h0.64 r270; SYMBOL_PART_DIM "PAD 35X32 OV" at 367.97,379.679 h0.64 r270; SYMBOL_PART_DIM "C402-35X32" at 369.24,379.679 h0.64 r270; SYMBOL_PART_DIM "0" at 370.611,376.758 h0.64 r270; SYMBOL_PART_DIM "0" at 372.415,378.892 h0.64 r270
R227: PIN_NUMBER "2" at 369.367,379.857 h0.51 r270; PIN_NUMBER "1" at 369.367,380.873 h0.51 r270; ASSEMBLY_TOP "10K 1%" at 369.57,380.365 h0.64 r270; ASSEMBLY_TOP "TOLERANCE" at 367.03,380.365 h0.64 r270; ASSEMBLY_TOP "USERPART#" at 365.76,380.365 h0.64 r270; SYMBOL_PART_DIM "PAD 35X32 OV" at 364.795,383.489 h0.64 r270; SYMBOL_PART_DIM "C402-35X32" at 366.065,383.489 h0.64 r270; SYMBOL_PART_DIM "0" at 367.436,380.568 h0.64 r270; SYMBOL_PART_DIM "0" at 369.24,382.702 h0.64 r270
R228: PIN_NUMBER "1" at 375.082,383.667 h0.51 r90; PIN_NUMBER "2" at 375.082,384.683 h0.51 r90; ASSEMBLY_TOP "NO-POP" at 375.285,384.175 h0.64 r90; ASSEMBLY_TOP "TOLERANCE" at 377.825,384.175 h0.64 r90; ASSEMBLY_TOP "USERPART#" at 379.095,384.175 h0.64 r90; SYMBOL_PART_DIM "PAD 35X32 OV" at 380.06,381.051 h0.64 r90; SYMBOL_PART_DIM "C402-35X32" at 378.79,381.051 h0.64 r90; SYMBOL_PART_DIM "0" at 377.419,383.972 h0.64 r90; SYMBOL_PART_DIM "0" at 375.615,381.838 h0.64 r90
R229: PIN_NUMBER "1" at 373.304,381.635 h0.51; PIN_NUMBER "2" at 374.32,381.635 h0.51; ASSEMBLY_TOP "0" at 374.015,381.635 h0.64; ASSEMBLY_TOP "TOLERANCE" at 374.015,379.095 h0.64; ASSEMBLY_TOP "USERPART#" at 374.015,377.825 h0.64; SYMBOL_PART_DIM "PAD 35X32 OV" at 370.891,376.86 h0.64; SYMBOL_PART_DIM "C402-35X32" at 370.891,378.13 h0.64; SYMBOL_PART_DIM "0" at 373.812,379.501 h0.64; SYMBOL_PART_DIM "0" at 371.678,381.305 h0.64
R230: PIN_NUMBER "1" at 373.812,383.667 h0.51 r90; PIN_NUMBER "2" at 373.812,384.683 h0.51 r90; ASSEMBLY_TOP "0" at 374.015,384.175 h0.64 r90; ASSEMBLY_TOP "TOLERANCE" at 376.555,384.175 h0.64 r90; ASSEMBLY_TOP "USERPART#" at 377.825,384.175 h0.64 r90; SYMBOL_PART_DIM "PAD 35X32 OV" at 378.79,381.051 h0.64 r90; SYMBOL_PART_DIM "C402-35X32" at 377.52,381.051 h0.64 r90; SYMBOL_PART_DIM "0" at 376.149,383.972 h0.64 r90; SYMBOL_PART_DIM "0" at 374.345,381.838 h0.64 r90
R231: PIN_NUMBER "1" at 377.622,383.667 h0.51 r90; PIN_NUMBER "2" at 377.622,384.683 h0.51 r90; ASSEMBLY_TOP "0" at 377.825,384.175 h0.64 r90; ASSEMBLY_TOP "TOLERANCE" at 380.365,384.175 h0.64 r90; ASSEMBLY_TOP "USERPART#" at 381.635,384.175 h0.64 r90; SYMBOL_PART_DIM "PAD 35X32 OV" at 382.6,381.051 h0.64 r90; SYMBOL_PART_DIM "C402-35X32" at 381.33,381.051 h0.64 r90; SYMBOL_PART_DIM "0" at 379.959,383.972 h0.64 r90; SYMBOL_PART_DIM "0" at 378.155,381.838 h0.64 r90
R232: PIN_NUMBER "1" at 375.717,382.143 h0.51 r270; PIN_NUMBER "2" at 375.717,381.127 h0.51 r270; ASSEMBLY_TOP "0" at 375.92,381.635 h0.64 r270; ASSEMBLY_TOP "TOLERANCE" at 373.38,381.635 h0.64 r270; ASSEMBLY_TOP "USERPART#" at 372.11,381.635 h0.64 r270; SYMBOL_PART_DIM "PAD 35X32 OV" at 371.145,384.759 h0.64 r270; SYMBOL_PART_DIM "C402-35X32" at 372.415,384.759 h0.64 r270; SYMBOL_PART_DIM "0" at 373.786,381.838 h0.64 r270; SYMBOL_PART_DIM "0" at 375.59,383.972 h0.64 r270
R233: PIN_NUMBER "2" at 403.911,394.97 h0.51; PIN_NUMBER "1" at 404.927,394.97 h0.51; ASSEMBLY_BOTTOM "1K" at 404.622,394.97 h0.64; ASSEMBLY_BOTTOM "TOLERANCE" at 404.622,392.43 h0.64; ASSEMBLY_BOTTOM "USERPART#" at 404.622,391.16 h0.64; SYMBOL_PART_DIM "PAD 35X32 OV" at 407.746,390.195 h0.64; SYMBOL_PART_DIM "C402-35X32" at 407.746,391.465 h0.64; SYMBOL_PART_DIM "0" at 404.825,392.836 h0.64; SYMBOL_PART_DIM "0" at 406.959,394.64 h0.64
R234: PIN_NUMBER "2" at 404.927,393.7 h0.51 r180; PIN_NUMBER "1" at 403.911,393.7 h0.51 r180; ASSEMBLY_BOTTOM "220" at 404.622,393.7 h0.64 r180; ASSEMBLY_BOTTOM "TOLERANCE" at 404.622,396.24 h0.64 r180; ASSEMBLY_BOTTOM "USERPART#" at 404.622,397.51 h0.64 r180; SYMBOL_PART_DIM "PAD 35X32 OV" at 401.498,398.475 h0.64 r180; SYMBOL_PART_DIM "C402-35X32" at 401.498,397.205 h0.64 r180; SYMBOL_PART_DIM "0" at 404.419,395.834 h0.64 r180; SYMBOL_PART_DIM "0" at 402.285,394.03 h0.64 r180
R235: PIN_NUMBER "1" at 414.706,393.7 h0.51 r180; PIN_NUMBER "2" at 415.722,393.7 h0.51 r180; ASSEMBLY_BOTTOM "220" at 415.417,393.7 h0.64 r180; ASSEMBLY_BOTTOM "TOLERANCE" at 415.417,396.24 h0.64 r180; ASSEMBLY_BOTTOM "USERPART#" at 415.417,397.51 h0.64 r180; SYMBOL_PART_DIM "PAD 35X32 OV" at 412.293,398.475 h0.64 r180; SYMBOL_PART_DIM "C402-35X32" at 412.293,397.205 h0.64 r180; SYMBOL_PART_DIM "0" at 415.214,395.834 h0.64 r180; SYMBOL_PART_DIM "0" at 413.08,394.03 h0.64 r180
R236: PIN_NUMBER "1" at 391.465,342.9 h0.51; PIN_NUMBER "2" at 390.449,342.9 h0.51; ASSEMBLY_BOTTOM "2.2K" at 391.16,342.9 h0.64; ASSEMBLY_BOTTOM "TOLERANCE" at 391.16,340.36 h0.64; ASSEMBLY_BOTTOM "USERPART#" at 391.16,339.09 h0.64; SYMBOL_PART_DIM "PAD 35X32 OV" at 394.284,338.125 h0.64; SYMBOL_PART_DIM "C402-35X32" at 394.284,339.395 h0.64; SYMBOL_PART_DIM "0" at 391.363,340.766 h0.64; SYMBOL_PART_DIM "0" at 393.497,342.57 h0.64
R237: PIN_NUMBER "1" at 381.737,354.33 h1.02; PIN_NUMBER "2" at 383.261,354.33 h1.02; ASSEMBLY_TOP "X" at 383.921,353.949 h1.02; ASSEMBLY_TOP "X" at 383.032,353.949 h1.02; ASSEMBLY_TOP "49.9" at 382.27,353.949 h1.02; SYMB_DIM "0" at 379.222,353.822 h1.02; SYMB_DIM "0" at 382.397,350.774 h1.02; SYMB_DIM "R603-35X45" at 377.571,359.156 h1.02; SYMB_DIM "SP  35X45OV" at 387.604,352.933 h1.02; SYMB_DIM "SM  43X53OV" at 387.604,354.711 h1.02; SYMB_DIM "PAD 35X45OV" at 387.604,356.235 h1.02
R238: PIN_NUMBER "2" at 386.182,351.79 h1.02 r180; PIN_NUMBER "1" at 387.706,351.79 h1.02 r180; ASSEMBLY_TOP "X" at 386.334,352.171 h1.02 r180; ASSEMBLY_TOP "X" at 387.223,352.171 h1.02 r180; ASSEMBLY_TOP "49.9" at 387.985,352.171 h1.02 r180; SYMB_DIM "0" at 391.033,352.298 h1.02 r180; SYMB_DIM "0" at 387.858,355.346 h1.02 r180; SYMB_DIM "R603-35X45" at 392.684,346.964 h1.02 r180; SYMB_DIM "SP  35X45OV" at 382.651,353.187 h1.02 r180; SYMB_DIM "SM  43X53OV" at 382.651,351.409 h1.02 r180; SYMB_DIM "PAD 35X45OV" at 382.651,349.885 h1.02 r180
R239: PIN_NUMBER "1" at 385.369,393.7 h0.51 r180; PIN_NUMBER "2" at 386.385,393.7 h0.51 r180; ASSEMBLY_BOTTOM "220" at 386.08,393.7 h0.64 r180; ASSEMBLY_BOTTOM "TOLERANCE" at 386.08,396.24 h0.64 r180; ASSEMBLY_BOTTOM "USERPART#" at 386.08,397.51 h0.64 r180; SYMBOL_PART_DIM "PAD 35X32 OV" at 382.956,398.475 h0.64 r180; SYMBOL_PART_DIM "C402-35X32" at 382.956,397.205 h0.64 r180; SYMBOL_PART_DIM "0" at 385.877,395.834 h0.64 r180; SYMBOL_PART_DIM "0" at 383.743,394.03 h0.64 r180
R240: PIN_NUMBER "2" at 397.18,393.7 h0.51 r180; PIN_NUMBER "1" at 396.164,393.7 h0.51 r180; ASSEMBLY_BOTTOM "220" at 396.875,393.7 h0.64 r180; ASSEMBLY_BOTTOM "TOLERANCE" at 396.875,396.24 h0.64 r180; ASSEMBLY_BOTTOM "USERPART#" at 396.875,397.51 h0.64 r180; SYMBOL_PART_DIM "PAD 35X32 OV" at 393.751,398.475 h0.64 r180; SYMBOL_PART_DIM "C402-35X32" at 393.751,397.205 h0.64 r180; SYMBOL_PART_DIM "0" at 396.672,395.834 h0.64 r180; SYMBOL_PART_DIM "0" at 394.538,394.03 h0.64 r180
R241: PIN_NUMBER "2" at 395.072,350.52 h1.02; PIN_NUMBER "1" at 396.596,350.52 h1.02; SYMB_DIM "0" at 399.923,350.012 h1.02; SYMB_DIM "0" at 396.748,346.964 h1.02; SYMB_DIM "R603-35X45" at 401.574,355.346 h1.02; SYMB_DIM "SP  35X45OV" at 391.541,349.123 h1.02; SYMB_DIM "SM  43X53OV" at 391.541,350.901 h1.02; SYMB_DIM "PAD 35X45OV" at 391.541,352.425 h1.02; ASSEMBLY_BOTTOM "X" at 395.224,350.139 h1.02; ASSEMBLY_BOTTOM "X" at 396.113,350.139 h1.02; ASSEMBLY_BOTTOM "49.9" at 396.875,350.139 h1.02
R242: PIN_NUMBER "1" at 396.596,346.71 h1.02; PIN_NUMBER "2" at 395.072,346.71 h1.02; SYMB_DIM "0" at 399.923,346.202 h1.02; SYMB_DIM "0" at 396.748,343.154 h1.02; SYMB_DIM "R603-35X45" at 401.574,351.536 h1.02; SYMB_DIM "SP  35X45OV" at 391.541,345.313 h1.02; SYMB_DIM "SM  43X53OV" at 391.541,347.091 h1.02; SYMB_DIM "PAD 35X45OV" at 391.541,348.615 h1.02; ASSEMBLY_BOTTOM "X" at 395.224,346.329 h1.02; ASSEMBLY_BOTTOM "X" at 396.113,346.329 h1.02; ASSEMBLY_BOTTOM "49.9" at 396.875,346.329 h1.02
R243: PIN_NUMBER "1" at 396.596,348.615 h1.02; PIN_NUMBER "2" at 395.072,348.615 h1.02; SYMB_DIM "0" at 399.923,348.107 h1.02; SYMB_DIM "0" at 396.748,345.059 h1.02; SYMB_DIM "R603-35X45" at 401.574,353.441 h1.02; SYMB_DIM "SP  35X45OV" at 391.541,347.218 h1.02; SYMB_DIM "SM  43X53OV" at 391.541,348.996 h1.02; SYMB_DIM "PAD 35X45OV" at 391.541,350.52 h1.02; ASSEMBLY_BOTTOM "X" at 395.224,348.234 h1.02; ASSEMBLY_BOTTOM "X" at 396.113,348.234 h1.02; ASSEMBLY_BOTTOM "49.9" at 396.875,348.234 h1.02
R244: PIN_NUMBER "1" at 411.785,355.6 h0.51; PIN_NUMBER "2" at 410.769,355.6 h0.51; ASSEMBLY_BOTTOM "NO-POP" at 411.48,355.6 h0.64; ASSEMBLY_BOTTOM "TOLERANCE" at 411.48,353.06 h0.64; ASSEMBLY_BOTTOM "USERPART#" at 411.48,351.79 h0.64; SYMBOL_PART_DIM "PAD 35X32 OV" at 414.604,350.825 h0.64; SYMBOL_PART_DIM "C402-35X32" at 414.604,352.095 h0.64; SYMBOL_PART_DIM "0" at 411.683,353.466 h0.64; SYMBOL_PART_DIM "0" at 413.817,355.27 h0.64
R245: PIN_NUMBER "1" at 415.468,354.965 h0.51; PIN_NUMBER "2" at 414.452,354.965 h0.51; ASSEMBLY_BOTTOM "NO-POP" at 415.163,354.965 h0.64; ASSEMBLY_BOTTOM "TOLERANCE" at 415.163,352.425 h0.64; ASSEMBLY_BOTTOM "USERPART#" at 415.163,351.155 h0.64; SYMBOL_PART_DIM "PAD 35X32 OV" at 418.287,350.19 h0.64; SYMBOL_PART_DIM "C402-35X32" at 418.287,351.46 h0.64; SYMBOL_PART_DIM "0" at 415.366,352.831 h0.64; SYMBOL_PART_DIM "0" at 417.5,354.635 h0.64
R246: PIN_NUMBER "1" at 411.785,346.71 h0.51; PIN_NUMBER "2" at 410.769,346.71 h0.51; ASSEMBLY_BOTTOM "NO-POP" at 411.48,346.71 h0.64; ASSEMBLY_BOTTOM "TOLERANCE" at 411.48,344.17 h0.64; ASSEMBLY_BOTTOM "USERPART#" at 411.48,342.9 h0.64; SYMBOL_PART_DIM "PAD 35X32 OV" at 414.604,341.935 h0.64; SYMBOL_PART_DIM "C402-35X32" at 414.604,343.205 h0.64; SYMBOL_PART_DIM "0" at 411.683,344.576 h0.64; SYMBOL_PART_DIM "0" at 413.817,346.38 h0.64
R247: PIN_NUMBER "1" at 411.785,344.17 h0.51; PIN_NUMBER "2" at 410.769,344.17 h0.51; ASSEMBLY_BOTTOM "NO-POP" at 411.48,344.17 h0.64; ASSEMBLY_BOTTOM "TOLERANCE" at 411.48,341.63 h0.64; ASSEMBLY_BOTTOM "USERPART#" at 411.48,340.36 h0.64; SYMBOL_PART_DIM "PAD 35X32 OV" at 414.604,339.395 h0.64; SYMBOL_PART_DIM "C402-35X32" at 414.604,340.665 h0.64; SYMBOL_PART_DIM "0" at 411.683,342.036 h0.64; SYMBOL_PART_DIM "0" at 413.817,343.84 h0.64
R248: PIN_NUMBER "1" at 386.639,354.965 h0.51 r180; PIN_NUMBER "2" at 387.655,354.965 h0.51 r180; ASSEMBLY_BOTTOM "2K" at 387.35,354.965 h0.64 r180; ASSEMBLY_BOTTOM "TOLERANCE" at 387.35,357.505 h0.64 r180; ASSEMBLY_BOTTOM "USERPART#" at 387.35,358.775 h0.64 r180; SYMBOL_PART_DIM "PAD 35X32 OV" at 384.226,359.74 h0.64 r180; SYMBOL_PART_DIM "C402-35X32" at 384.226,358.47 h0.64 r180; SYMBOL_PART_DIM "0" at 387.147,357.099 h0.64 r180; SYMBOL_PART_DIM "0" at 385.013,355.295 h0.64 r180
R249: PIN_NUMBER "1" at 411.785,353.06 h0.51; PIN_NUMBER "2" at 410.769,353.06 h0.51; ASSEMBLY_BOTTOM "2K" at 411.48,353.06 h0.64; ASSEMBLY_BOTTOM "TOLERANCE" at 411.48,350.52 h0.64; ASSEMBLY_BOTTOM "USERPART#" at 411.48,349.25 h0.64; SYMBOL_PART_DIM "PAD 35X32 OV" at 414.604,348.285 h0.64; SYMBOL_PART_DIM "C402-35X32" at 414.604,349.555 h0.64; SYMBOL_PART_DIM "0" at 411.683,350.926 h0.64; SYMBOL_PART_DIM "0" at 413.817,352.73 h0.64
R250: PIN_NUMBER "2" at 387.655,353.695 h0.51; PIN_NUMBER "1" at 386.639,353.695 h0.51; ASSEMBLY_TOP "0" at 387.35,353.695 h0.64; ASSEMBLY_TOP "TOLERANCE" at 387.35,351.155 h0.64; ASSEMBLY_TOP "USERPART#" at 387.35,349.885 h0.64; SYMBOL_PART_DIM "PAD 35X32 OV" at 384.226,348.92 h0.64; SYMBOL_PART_DIM "C402-35X32" at 384.226,350.19 h0.64; SYMBOL_PART_DIM "0" at 387.147,351.561 h0.64; SYMBOL_PART_DIM "0" at 385.013,353.365 h0.64
R251: PIN_NUMBER "1" at 410.769,355.6 h0.51; PIN_NUMBER "2" at 411.785,355.6 h0.51; ASSEMBLY_TOP "NO-POP" at 411.48,355.6 h0.64; ASSEMBLY_TOP "TOLERANCE" at 411.48,353.06 h0.64; ASSEMBLY_TOP "USERPART#" at 411.48,351.79 h0.64; SYMBOL_PART_DIM "PAD 35X32 OV" at 408.356,350.825 h0.64; SYMBOL_PART_DIM "C402-35X32" at 408.356,352.095 h0.64; SYMBOL_PART_DIM "0" at 411.277,353.466 h0.64; SYMBOL_PART_DIM "0" at 409.143,355.27 h0.64
R252: PIN_NUMBER "1" at 414.452,354.965 h0.51; PIN_NUMBER "2" at 415.468,354.965 h0.51; ASSEMBLY_TOP "NO-POP" at 415.163,354.965 h0.64; ASSEMBLY_TOP "TOLERANCE" at 415.163,352.425 h0.64; ASSEMBLY_TOP "USERPART#" at 415.163,351.155 h0.64; SYMBOL_PART_DIM "PAD 35X32 OV" at 412.039,350.19 h0.64; SYMBOL_PART_DIM "C402-35X32" at 412.039,351.46 h0.64; SYMBOL_PART_DIM "0" at 414.96,352.831 h0.64; SYMBOL_PART_DIM "0" at 412.826,354.635 h0.64
R253: PIN_NUMBER "1" at 410.769,346.71 h0.51; PIN_NUMBER "2" at 411.785,346.71 h0.51; ASSEMBLY_TOP "2K" at 411.48,346.71 h0.64; ASSEMBLY_TOP "TOLERANCE" at 411.48,344.17 h0.64; ASSEMBLY_TOP "USERPART#" at 411.48,342.9 h0.64; SYMBOL_PART_DIM "PAD 35X32 OV" at 408.356,341.935 h0.64; SYMBOL_PART_DIM "C402-35X32" at 408.356,343.205 h0.64; SYMBOL_PART_DIM "0" at 411.277,344.576 h0.64; SYMBOL_PART_DIM "0" at 409.143,346.38 h0.64
R254: PIN_NUMBER "1" at 410.769,344.17 h0.51; PIN_NUMBER "2" at 411.785,344.17 h0.51; ASSEMBLY_TOP "2K" at 411.48,344.17 h0.64; ASSEMBLY_TOP "TOLERANCE" at 411.48,341.63 h0.64; ASSEMBLY_TOP "USERPART#" at 411.48,340.36 h0.64; SYMBOL_PART_DIM "PAD 35X32 OV" at 408.356,339.395 h0.64; SYMBOL_PART_DIM "C402-35X32" at 408.356,340.665 h0.64; SYMBOL_PART_DIM "0" at 411.277,342.036 h0.64; SYMBOL_PART_DIM "0" at 409.143,343.84 h0.64
R255: PIN_NUMBER "1" at 387.655,354.965 h0.51 r180; PIN_NUMBER "2" at 386.639,354.965 h0.51 r180; ASSEMBLY_TOP "NO-POP" at 387.35,354.965 h0.64 r180; ASSEMBLY_TOP "TOLERANCE" at 387.35,357.505 h0.64 r180; ASSEMBLY_TOP "USERPART#" at 387.35,358.775 h0.64 r180; SYMBOL_PART_DIM "PAD 35X32 OV" at 390.474,359.74 h0.64 r180; SYMBOL_PART_DIM "C402-35X32" at 390.474,358.47 h0.64 r180; SYMBOL_PART_DIM "0" at 387.553,357.099 h0.64 r180; SYMBOL_PART_DIM "0" at 389.687,355.295 h0.64 r180
R256: PIN_NUMBER "1" at 410.769,353.06 h0.51; PIN_NUMBER "2" at 411.785,353.06 h0.51; ASSEMBLY_TOP "NO-POP" at 411.48,353.06 h0.64; ASSEMBLY_TOP "TOLERANCE" at 411.48,350.52 h0.64; ASSEMBLY_TOP "USERPART#" at 411.48,349.25 h0.64; SYMBOL_PART_DIM "PAD 35X32 OV" at 408.356,348.285 h0.64; SYMBOL_PART_DIM "C402-35X32" at 408.356,349.555 h0.64; SYMBOL_PART_DIM "0" at 411.277,350.926 h0.64; SYMBOL_PART_DIM "0" at 409.143,352.73 h0.64